# Altium PCB ETH_CAN.PcbDoc (part 1 of 2) (continued)
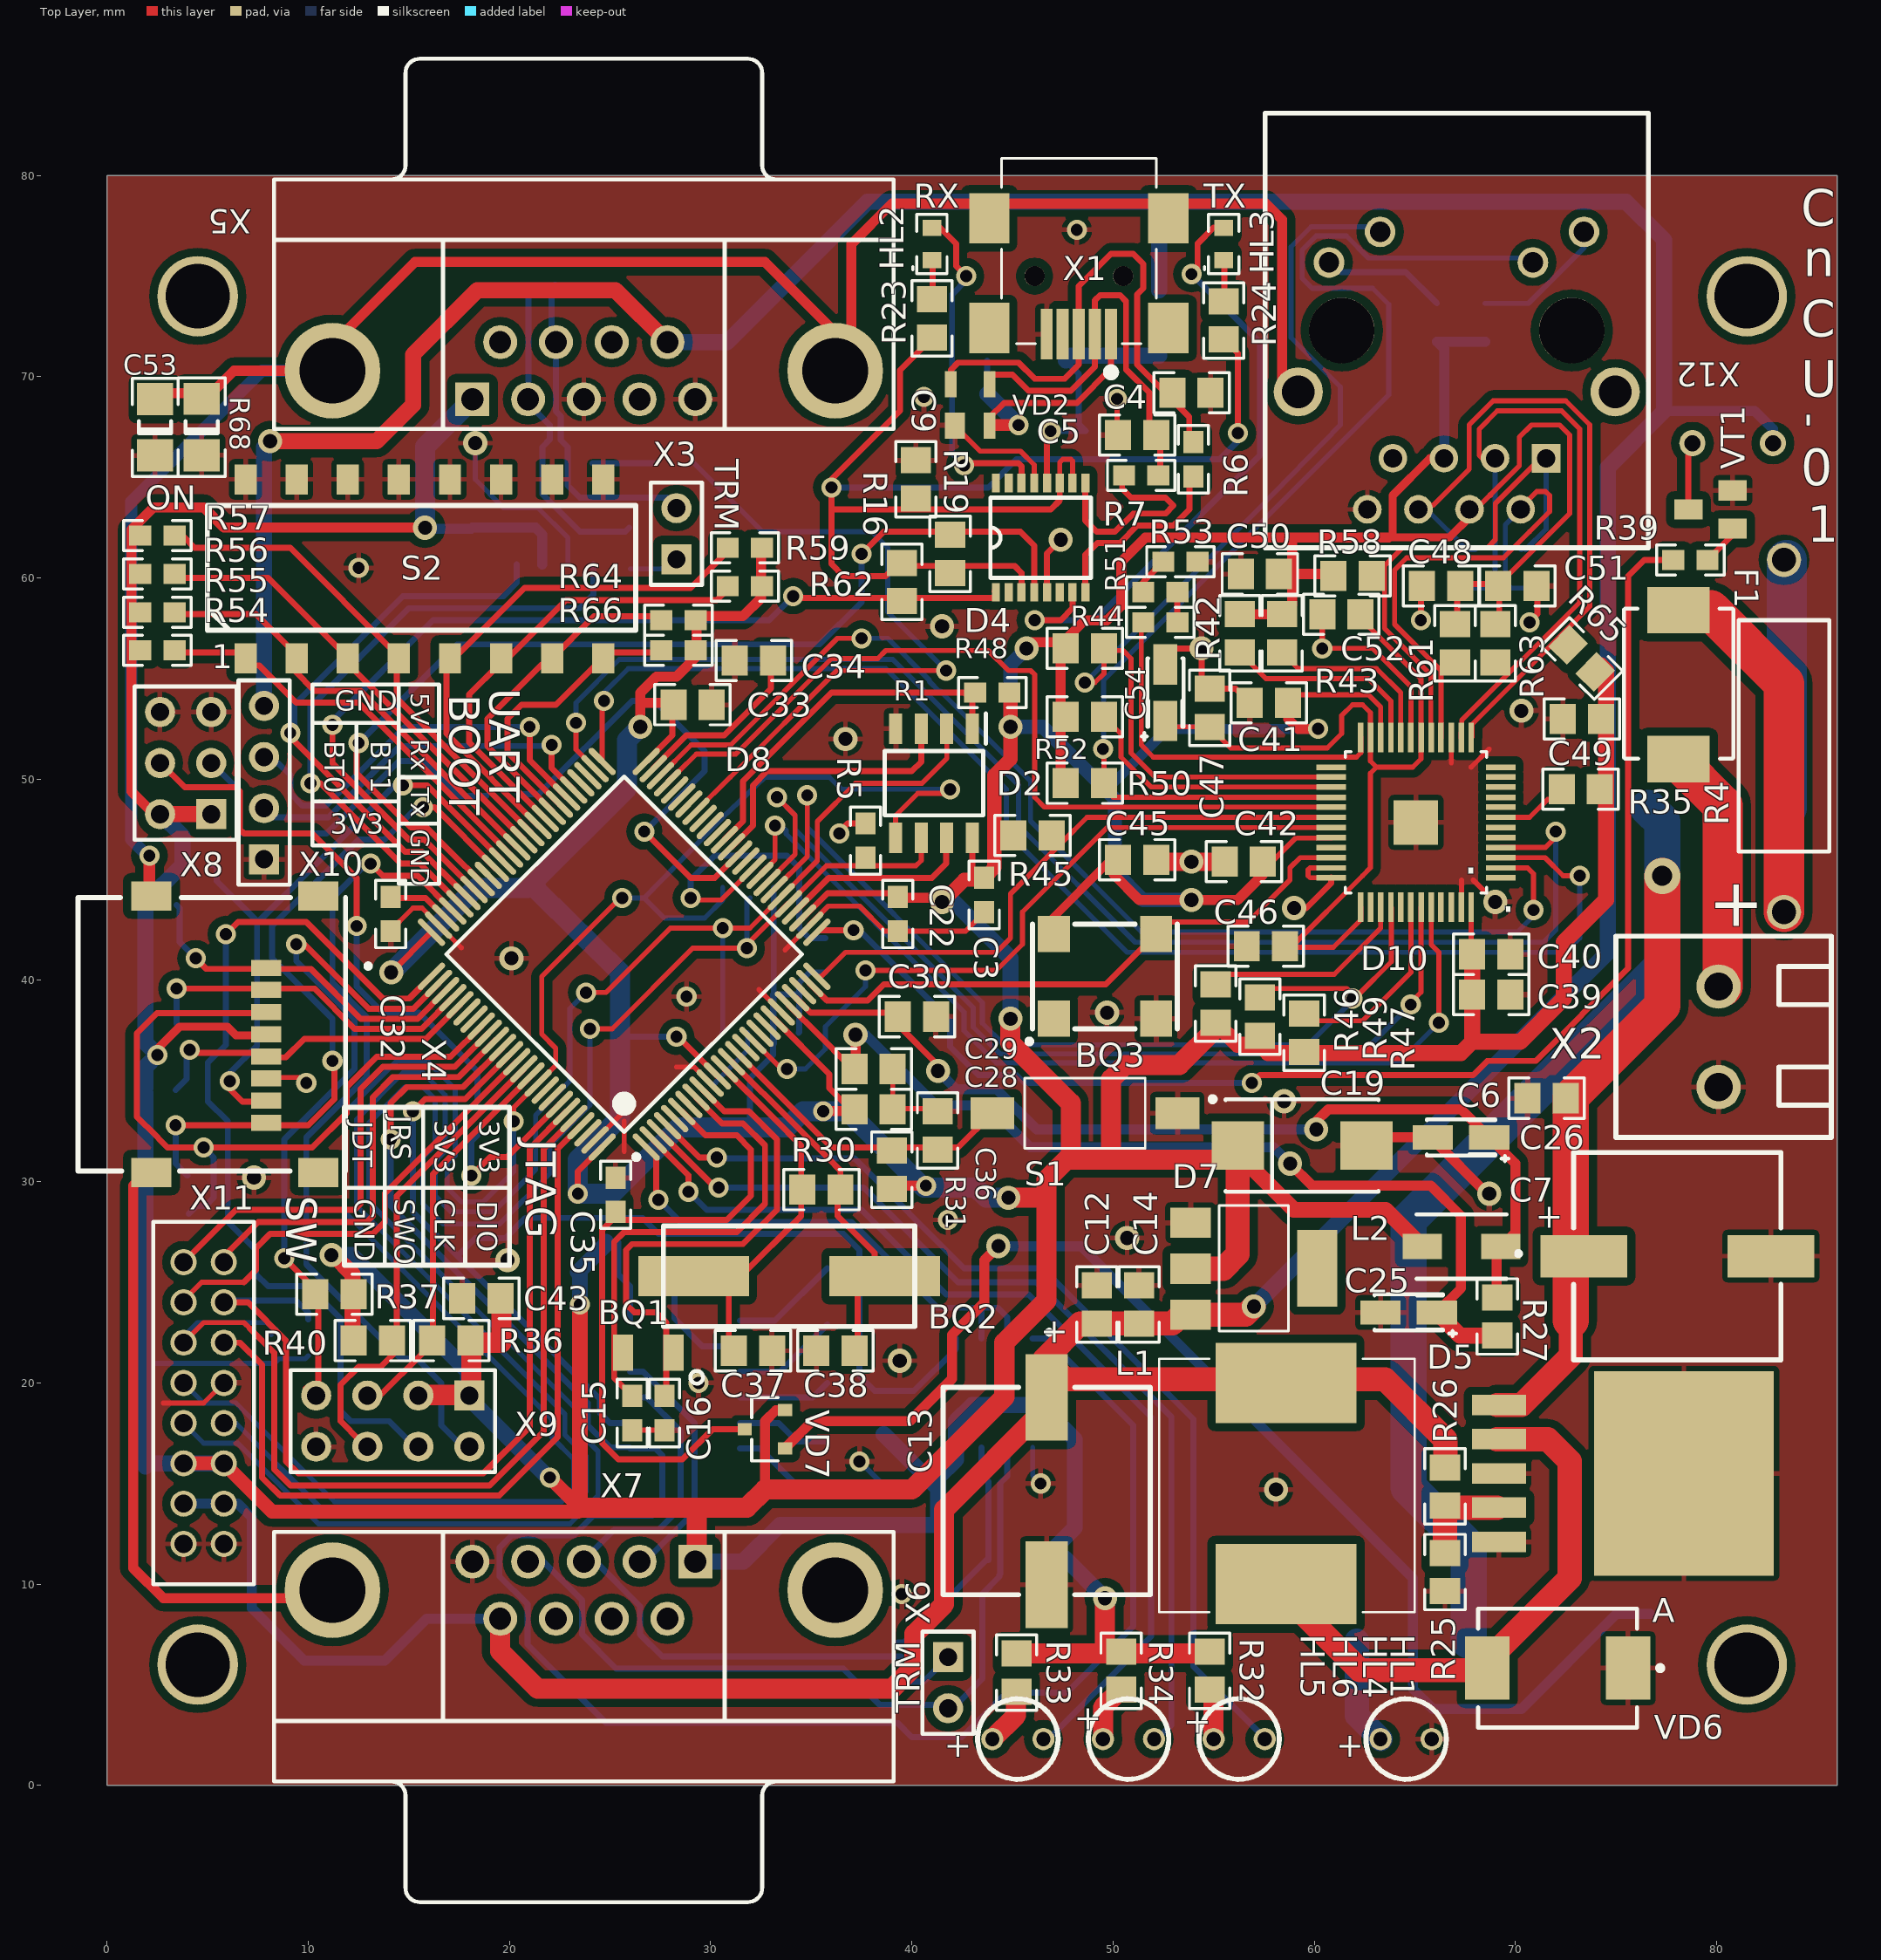
[diagram p0: Top Layer view]
## Components (designator, comment, footprint, x,y, rotation, side; value= is the part's Value field where it differs from the comment) (continued)
R33 "0805 130 1%" R_SMD0805 45.2,5.6 r270 top
R34 "0805 130 1%" R_SMD0805 50.4,5.7 r270 top
R35 "0805 2k 1%" R_SMD0805 73.25,49.5 r0 top
R36 "0805 10k" R_SMD0805 17.1,22.1 r0 top
R37 "0805 10k" R_SMD0805 11.3,24.4 r0 top
R38 "0603 10k" R_SMD0603 13.9,23.3 r45 bottom
R39 "0603 1k" R_SMD0603 78.7,60.9 r0 top
R40 "0805 10k" R_SMD0805 13.2,22.1 r180 top
R41 "0603 10k" R_SMD0603 6.8,33.2 r180 bottom
R42 "0805 2k 1%" R_SMD0805 56.3,57.25 r90 top
R43 "0805 2k 1%" R_SMD0805 58.4,57.25 r90 top
R44 "0603 4.7k 1%" R_SMD0603 52.35,57.8 r0 top
R45 "0805 1.5k" R_SMD0805 46,47.2 r180 top
R46 "0805 2k 1%" R_SMD0805 55.1,38.85 r270 top
R47 "0805 2k 1%" R_SMD0805 59.5,37.4 r270 top
R48 "0805 2k 1%" R_SMD0805 48.6,56.5 r180 top
R49 "0805 2k 1%" R_SMD0805 57.3,38.2 r270 top
R50 "0805 2k 1%" R_SMD0805 48.6,49.8 r180 top
R51 "0603 150 1%" R_SMD0603 52.35,59.3 r180 top
R52 "0805 2k 1%" R_SMD0805 48.6,53.1 r180 top
R53 "0603 18 1%" R_SMD0603 53.35,60.8 r0 top
R54 "0603 10k" R_SMD0603 2.5,56.4 r180 top
R55 "0603 10k" R_SMD0603 2.5,58.3 r180 top
R56 "0603 10k" R_SMD0603 2.5,60.2 r180 top
R57 "0603 10k" R_SMD0603 2.5,62.1 r180 top
R58 "0805 51" R_SMD0805 61.9,60.1 r180 top
R59 "0603 10k" R_SMD0603 31.7,61.5 r0 top
R60 "0603 10k" R_SMD0603 8.3,21.8 r270 bottom
R61 "0805 51" R_SMD0805 67,56.75 r90 top
R62 "0603 10k" R_SMD0603 31.7,59.6 r0 top
R63 "0805 51" R_SMD0805 69,56.75 r90 top
R64 "0603 10k" R_SMD0603 28.4,57.9 r0 top
R65 "0805 51" R_SMD0805 73.3,56 r315 top
R66 "0603 10k" R_SMD0603 28.4,56.4 r0 top
R67 "0603 10k" R_SMD0603 9.9,22.2 r270 bottom
R68 "1206 1M" R_SMD1206 4.7,67.5 r90 top
R69 "0805 240" R_SMD0805 68.5,72.7 r270 bottom
R70 "0805 240" R_SMD0805 66.1,72.7 r270 bottom
S1 "1437566-3 (FSMSM)" 1437566-3 48.6,33.4 r0 top
S2 "DM-08-V" DM-08-V 6.88,56 r0 top
VD1 "SM15T39CA" "DO214AB SMC" 80.1,55.4 r180 bottom
VD2 "SP0503BAHTG" SP0503BAHTG 42.9,68.6 r90 top
VD3 "VS-30BQ040" "DO214AB SMC" 80.1,48.6 r180 bottom
VD4 "MBR130LSFT1G" SOD-123FL 52.3,72.7 r90 bottom
VD5 "SP0503BAHTG" SP0503BAHTG 21.5,75.6 r270 bottom
VD6 "SS34" "DO214AB SMC" 72.1,5.8 r180 top
VD7 "BAT54C" BAT54C_SOT23-3 32.7,17.7 r90 top
VD8 "SP0504BAHT" SOT23-5 70.5,60.45 r270 bottom
VT1 "MMBT3904.215" SOT23 79.7,63.4 r90 top
X1 "DS1104-B60SRS" MUSB-05-S-B-SM 48.3,72.12 r180 top
X2 "309-021-12" 390-021-12 80.1,39.7 r270 top
X3 "DS1021_1x2" PLD2 28.3,62.2 r90 top
X4 "microSD_500901-0801" 5009001-0801 -1.577,44.125 r270 top
X5 "DRB- 9FA (DS1037-9F)" "DRB- 9FA" 23.695,79.8 r0 top
X6 "DS1021_1x2" PLD2 41.8,5.1 r270 top
X7 "DRB- 9FA (DS1037-9F)" "DRB- 9FA" 23.695,0.2 r180 top
X8 "DS1021-2*3SF11-B" PLD2-3 3.9,50.8 r90 top
X9 "DS1021-2*4SF11-B" PLD2-4 14.2,18.1 r180 top
X10 "DS1021_1x4" PLD1X4 7.8,46.02 r90 top
X11 "B16B-PHDSS" PHD16 3.8,26 r270 top
X12 "TRJ0011TBNL (J0011D018)" J0011D018 67.085,72.3 r0 top

## Footprints (in the part's own frame and the unit in brackets; to place one, negate y for a bottom-side part, rotate by r counter-clockwise, add the part's x,y. Pads: shape width x height; smd on the part's side, far side on the other; paste and mask are expansions set on the pad)
390-021-12 [mm]
  round 2.2 hole 1.4: 1(0,0) 2(5,0)
  silkscreen extent -2.5,-5.1 7.5,5.6, body extent -2.5,-4.9 7.5,4.1, height 12.6
1437566-3 [mm]
  rect 2.18x1.6 smd: 1(-4.6,0) 2(4.6,0)
  silkscreen extent -3,-1.75 3,1.75, body extent -5.54,-1.75 5.54,1.75, height 4.87
5009001-0801 [mm]
  rect 0.8x1.5 smd: 1(3.5,9.477) 2(4.6,9.477) 3(5.7,9.477) 4(6.8,9.477) 5(7.9,9.477) 6(9,9.477) 7(10.1,9.477) 8(11.2,9.477)
  rect 1.45x2 smd: 9(-0.075,12.077) 10(13.675,12.077) 11(13.675,3.777) 12(-0.075,3.777)
  silkscreen extent 0,0.13 13.6,14.65, body extent -0.44,0.13 14.16,14.63, height 1.93
BAT54C_SOT23-3 [mm]
  rect 0.6x0.7 smd: 1(-0.95,-1) 2(0.95,-1) 3(0,1)
  silkscreen extent -1.57,-0.65 1.57,0.66, body extent -1.45,-1.17 1.45,1.13, height 1.1
BK-912-TR [mm] "CR2032battery holder"
  rect 2.79x5.08 smd: 1(-10.985,0) 2(10.985,0)
  round 17.78 smd: 3(0,0)
  silkscreen extent -13.59,-7.62 10.54,7.62, body extent -11.61,-7.89 11.25,7.34, height 4.47
C_SMD0603 [mm]
  rect 1.1x1 smd: 1(-0.85,0) 2(0.85,0)
  silkscreen extent -1.68,-0.75 1.68,0.75, body extent -0.85,-0.45 0.85,0.45, height 0.9
C_SMD0805 [mm]
  rect 1.3x1.5 smd: 1(-0.95,0) 2(0.95,0)
  silkscreen extent -1.87,-1 1.88,1, body extent -1.05,-0.67 1.05,0.68, height 0.75
"CAP SMD1206" [mm]
  rect 1.6x1.8 smd: 1(-1.408,0.022) 2(1.392,0.022)
  silkscreen extent -2.45,-1.13 2.42,1.15, body extent -1.62,-0.8 1.58,0.8, height 0.79
CFPS-73 [mm]
  rect 1.6x1.8 smd: 1(-2.54,-2.1) 2(2.54,-2.1) 3(2.54,2.1) 4(-2.54,2.1)
  silkscreen extent -3.87,-3.34 3.6,2.6, body extent -3.5,-2.51 3.5,2.51, height 1.52
CM453232-101KL [mm]
  rect 1.95x1.25 smd: 1(-1.925,-0.025) 2(1.975,-0.025)
  silkscreen extent -2.22,-1.63 2.28,1.57, body extent -2.22,-1.6 2.28,1.6, height 3.4
DM-08-V [mm] "dipswitch8"
  rect 1.1x1.5 smd: 1(0,0) 2(2.54,0) 3(5.08,0) 4(7.62,0) 5(10.16,0) 6(12.7,0) 7(15.24,0) 8(17.78,0) 9(0,8.9) 10(2.54,8.9) 11(5.08,8.9) 12(7.62,8.9) 13(10.16,8.9) 14(12.7,8.9) 15(15.24,8.9) 16(17.78,8.9)
  silkscreen extent -1.9,1.4 19.4,7.6, body extent -1.48,-0.42 19.28,9.28, height 3.7
"DO214AB SMC" [mm]
  rect 2.2x3.15 smd: 1(-3.5,-0.025) 2(3.5,-0.025)
  silkscreen extent -5.23,-2.98 3.95,2.92, body extent -4.04,-3.17 4.09,3.12, height 2.62
"DRB- 9FA" [mm]
  rect 1.69x1.69 hole 1.09: 1(-5.54,-10.92)
  round 1.69 hole 1.09: 2(-2.77,-10.92) 3(0,-10.92) 4(2.77,-10.92) 5(5.54,-10.92) 6(-4.155,-8.08) 7(-1.385,-8.08) 8(1.385,-8.08) 9(4.155,-8.08)
  round 4.76 hole 3.26: 10(-12.495,-9.5) 11(12.495,-9.5)
  silkscreen extent -15.4,-12.4 15.4,6, body extent -15.3,-12.83 15.2,3.88, height 12.25
FC-135 [mm]
  rect 1x1.8 smd: 1(-1.25,0) 2(1.25,0)
  silkscreen extent -2.73,0.9 -2.09,1.54, body extent -1.6,-0.72 1.6,0.78, height 0.8
FUSE1812x0 [mm]
  rect 1.9x3.4 smd: 1(-1.95,0) 2(1.95,0)
  body extent -2.27,-1.62 2.28,1.62, height 0.85
HC49SM [mm]
  rect 5.5x2 smd: 1(-4.75,0) 2(4.75,0)
  silkscreen extent -6.25,-2.5 6.25,2.5, body extent -6.2,-2.35 6.2,2.35, height 3.8
HC090xA [mm]
  round 1.3 hole 0.8: 2(2,0) +(-2,0)
  silkscreen extent -5.4,-4.8 4.8,4.8, body extent -6,-4.5 4.5,4.5, height 4.3
J0011D018 [mil]
  rect 56x56 hole 36: 1(175,-250)
  round 56 hole 36: 2(125,-350) 3(75,-250) 4(25,-350) 5(-25,-250) 6(-75,-350) 7(-125,-250) 8(-175,-350)
  round 60 hole 40: 9(249,193) 10(149,133) 11(-150,193) 12(-250,133)
  round 128 hole 128 unplated: None(-225,0) None(225,0)
  round 96 hole 64: S1(-310,-120) S2(310,-120)
  silkscreen extent -375,-425 375,425, body extent -404,-406 409,425, height 633
KNP2WS [mm]
  round 1.7 hole 1.2: 1(-3,-2.25) 2(14.5,-2.25)
  silkscreen extent 0,-4.5 11.5,0, body extent -2.26,-4.28 13.77,-0.27, height 5
LED3mm [mm]
  round 1.1 hole 0.7: 1(0,0) 2(2.54,0)
  silkscreen extent -0.73,-2 3.27,2, body extent -0.42,-7.25 2.98,0.3, height 4.6
LED_SMD1608 [mm]
  rect 0.8x0.95 smd: 1(-0.8,0) 2(0.8,0)
  silkscreen extent -1.48,-0.75 1.48,0.96, body extent -0.85,-0.45 0.85,0.45, height 0.9
LED_SMD1608GREEN [mm]
  rect 0.8x0.95 smd: 1(-0.8,0) 2(0.8,0)
  silkscreen extent -1.48,-0.75 1.48,0.96, body extent -0.85,-0.45 0.85,0.45, height 0.9
MF-SM075/60 [mm]
  rect 2.3x3.1 smd: 1(0,0) 2(7.4,0)
  silkscreen extent 0.03,-2.75 7.48,2.7, body extent 0.07,-2.74 7.43,2.7, height 3.14
MUSB-05-S-B-SM [mm]
  rect 0.6x2.5 smd: 1(-1.6,0) 2(-0.8,0) 3(0,0) 4(0.8,0) 5(1.6,0)
  rect 2x2.5 smd: 6(-4.45,-0.3) 7(4.45,-0.3) 8(-4.45,-5.75) 9(4.45,-5.75)
  round 1 hole 1 unplated: None(-2.2,-2.88) None(2.2,-2.88)
  silkscreen extent -3.85,-8.73 3.85,2.1, body extent -4.8,-8.83 4.8,0.42, height 3.92
PHD16 [mm]
  round 1.3 hole 0.9: 1(0,0) 2(0,2) 3(2,0) 4(2,2) 5(4,0) 6(4,2) 7(6,0) 8(6,2) 9(8,0) 10(8,2) 11(10,0) 12(10,2) 13(12,0) 14(12,2) 15(14,0) 16(14,2)
  silkscreen extent -2,-1.5 16,3.5, body extent -1.95,-1.5 15.95,3.5, height 6.5
PLD1X4 [mm]
  rect 1.5x1.5 hole 0.9: 1(0,0)
  round 1.5 hole 0.9: 2(2.54,0) 3(5.08,0) 4(7.62,0)
  silkscreen extent -1.27,-1.27 8.89,1.27, body extent -1.28,-1.27 8.88,1.27, height 8.6
PLD2 [mm]
  rect 1.5x1.5 hole 0.9: 1(-1.27,0)
  round 1.5 hole 0.9: 2(1.27,0)
  silkscreen extent -2.54,-1.27 2.54,1.27, body extent -2.5,-1.26 2.5,1.28, height 8.5
PLD2-3 [mm]
  rect 1.5x1.5 hole 0.9: 1(-2.54,-1.27)
  round 1.5 hole 0.9: 2(-2.54,1.27) 3(0,-1.27) 4(0,1.27) 5(2.54,-1.27) 6(2.54,1.27)
  silkscreen extent -3.81,-2.54 3.81,2.54, body extent -3.84,-2.52 3.78,2.56, height 8.6
PLD2-4 [mm]
  rect 1.5x1.5 hole 0.9: 1(-3.81,-1.27)
  round 1.5 hole 0.9: 2(-3.81,1.27) 3(-1.27,-1.27) 4(-1.27,1.27) 5(1.27,-1.27) 6(1.27,1.27) 7(3.81,-1.27) 8(3.81,1.27)
  silkscreen extent -5.08,-2.54 5.08,2.54, body extent -5.07,-2.5 5.09,2.5, height 8.5
QFP48 [mil]
  rect 58x11 smd: 1(-166,108) 2(-166,89) 3(-166,69) 4(-166,49) 5(-166,30) 6(-166,10) 7(-166,-10) 8(-166,-30) 9(-166,-49) 10(-166,-69) 11(-166,-89) 12(-166,-108) 25(166,-108) 26(166,-89) 27(166,-69) 28(166,-49) 29(166,-30) 30(166,-10) 31(166,10) 32(166,30) 33(166,49) 34(166,69) 35(166,89) 36(166,108)
  rect 11x58 smd: 13(-108,-166) 14(-89,-166) 15(-69,-166) 16(-49,-166) 17(-30,-166) 18(-10,-166) 19(10,-166) 20(30,-166) 21(49,-166) 22(69,-166) 23(89,-166) 24(108,-166) 37(108,166) 38(89,166) 39(69,166) 40(49,166) 41(30,166) 42(10,166) 43(-10,166) 44(-30,166) 45(-49,166) 46(-69,166) 47(-89,166) 48(-108,166)
  rect 87x87 smd: 49(0,0)
  silkscreen extent -138,-138 138,138, body extent -177,-177 177,177, height 63
R_SMD0603 [mm]
  rect 1.1x1 smd: 1(-0.85,0) 2(0.85,0)
  silkscreen extent -1.68,-0.75 1.68,0.75, body extent -0.82,-0.4 0.78,0.4, height 0.45
R_SMD0805 [mm]
  rect 1.3x1.5 smd: 1(-0.95,0) 2(0.95,0)
  silkscreen extent -1.88,-1 1.88,1, body extent -0.97,-0.6 1.03,0.65, height 0.55
R_SMD1206 [mm]
  rect 1.6x1.8 smd: 1(-1.4,0) 2(1.4,0)
  silkscreen extent -2.45,-1.17 2.45,1.17, body extent -2.24,-0.8 2.3,0.8, height 1.25
R_SMD2512 [mm]
  rect 2.15x3.4 smd: 1(-2.775,0) 2(2.775,0)
  silkscreen extent -4.18,-2 4.18,2, body extent -3.41,-1.66 3.39,1.64, height 0.64
SMD_ELC_CAP [mm]
  rect 4.3x2.1 smd: 1(-4.675,0) 2(4.625,0)
  silkscreen extent -8.01,-5.15 5.12,5.15, body extent -5.97,-5.15 5.73,5.15, height 10.3
SOD-123FL [mm]
  rect 1.12x1.08 smd: A(-1.645,0) C(1.6,0)
  silkscreen extent -2.72,-1 1.5,1, body extent -1.82,-0.82 1.78,0.83, height 0.95
"SOIC8 (SO-8)" [mm]
  rect 1.525x0.65 smd: 1(-2.712,1.905) 2(-2.712,0.635) 3(-2.712,-0.635) 4(-2.712,-1.905) 5(2.712,-1.905) 6(2.712,-0.635) 7(2.712,0.635) 8(2.712,1.905)
  silkscreen extent -3.47,-2.45 1.6,2.58, body extent -3.08,-2.5 3.08,2.5, height 2
SOIC8(5.3mm) [mm]
  rect 1.7x0.65 smd: 1(0,0) 2(0,-1.27) 3(0,-2.54) 4(0,-3.81) 5(7.2,-3.81) 6(7.2,-2.54) 7(7.2,-1.27) 8(7.2,0)
  silkscreen extent -0.76,-4.36 6.1,0.67, body extent -0.4,-4.5 7.6,0.75, height 2.58
SOIC-12 [mil]
  rect 78x22 smd: 1(-93,75) 2(-93,25) 3(-93,-25) 4(-93,-75) 5(93,-75) 6(93,-25) 7(93,25) 8(93,75)
  silkscreen extent -46,-96 46,96, body extent -117,-96 119,96, height 67
SOIC-16 [mil]
  rect 24x60 smd: 1(-177.52,-98.62) 2(-127.52,-98.62) 3(-77.52,-98.62) 4(-27.52,-98.62) 5(22.48,-98.62) 6(72.48,-98.62) 7(122.48,-98.62) 8(172.48,-98.62) 9(172.48,116.38) 10(122.48,116.38) 11(72.48,116.38) 12(22.48,116.38) 13(-27.52,116.38) 14(-77.52,116.38) 15(-127.52,116.38) 16(-177.52,116.38)
  silkscreen extent -196,-62 190,79, body extent -201,-112 193,128, height 59
SOT23 [mm]
  rect 1x1.4 smd: B(-0.95,-1.1) C(0,1.1) E(0.95,-1.1)
  body extent -1.46,-1.17 1.46,1.17, height 1
SOT23-5 [mm]
  round 0.2 on Bottom Overlay: 1(-1.475,0.75)
  rect 0.6x1 smd: 1(-0.95,0) 2(0,0) 3(0.95,0) 4(0.95,2.6) 5(-0.95,2.6)
  silkscreen extent -1.15,0.85 1.15,1.75, body extent -1.46,0.13 1.46,2.47, height 1
SOT223 [mil]
  rect 59x79 smd: 1(-89,-124) 2(1,-124) 3(91,-124)
  rect 150x79 smd: 4(0,124)
  silkscreen extent -123,-68 123,68, body extent -128,-136 128,136, height 64
SP0503BAHTG [mm]
  rect 1.3x0.99 smd: 1(-1.025,0.76)
  rect 1.3x0.59 smd: 2(-1.025,-0.96) 3(1.025,-0.96) 4(1.025,0.96)
  body extent -1.18,-1.45 1.18,1.45, height 1.22
SRR1208 [mm]
  rect 4x7 smd: 1(-5,0) 2(5,0)
  silkscreen extent -6.4,-6.4 6.2,6.3, body extent -6.5,-6.55 6.4,6.35, height 8.5
SSOP16 [mil]
  rect 36x16 smd: 1(-107,87.5) 2(-107,62.5) 3(-107,37.5) 4(-107,12.5) 5(-107,-12.5) 6(-107,-37.5) 7(-107,-62.5) 8(-107,-87.5) 9(107,-87.5) 10(107,-62.5) 11(107,-37.5) 12(107,-12.5) 13(107,12.5) 14(107,37.5) 15(107,62.5) 16(107,87.5)
  silkscreen extent -78,-98 78,98, body extent -123,-98 123,98, height 69
STM-LQFP100_N [mm] "Thin QFP, 100-Leads, Body 14x14mm, Pitch 0.5mm, IPC Medium Density"
  oval 1.8x0.3 smd: 1(-7.55,6) 2(-7.55,5.5) 3(-7.55,5) 4(-7.55,4.5) 5(-7.55,4) 6(-7.55,3.5) 7(-7.55,3) 8(-7.55,2.5) 9(-7.55,2) 10(-7.55,1.5) 11(-7.55,1) 12(-7.55,0.5) 13(-7.55,0) 14(-7.55,-0.5) 15(-7.55,-1) 16(-7.55,-1.5) 17(-7.55,-2) 18(-7.55,-2.5) 19(-7.55,-3) 20(-7.55,-3.5) 21(-7.55,-4) 22(-7.55,-4.5) 23(-7.55,-5) 24(-7.55,-5.5) 25(-7.55,-6) 51(7.55,-6) 52(7.55,-5.5) 53(7.55,-5) 54(7.55,-4.5) 55(7.55,-4) 56(7.55,-3.5) 57(7.55,-3) 58(7.55,-2.5) 59(7.55,-2) 60(7.55,-1.5) 61(7.55,-1) 62(7.55,-0.5) 63(7.55,0) 64(7.55,0.5) 65(7.55,1) 66(7.55,1.5) 67(7.55,2) 68(7.55,2.5) 69(7.55,3) 70(7.55,3.5) 71(7.55,4) 72(7.55,4.5) 73(7.55,5) 74(7.55,5.5) 75(7.55,6)
  oval 0.3x1.8 smd: 26(-6,-7.55) 27(-5.5,-7.55) 28(-5,-7.55) 29(-4.5,-7.55) 30(-4,-7.55) 31(-3.5,-7.55) 32(-3,-7.55) 33(-2.5,-7.55) 34(-2,-7.55) 35(-1.5,-7.55) 36(-1,-7.55) 37(-0.5,-7.55) 38(0,-7.55) 39(0.5,-7.55) 40(1,-7.55) 41(1.5,-7.55) 42(2,-7.55) 43(2.5,-7.55) 44(3,-7.55) 45(3.5,-7.55) 46(4,-7.55) 47(4.5,-7.55) 48(5,-7.55) 49(5.5,-7.55) 50(6,-7.55) 76(6,7.55) 77(5.5,7.55) 78(5,7.55) 79(4.5,7.55) 80(4,7.55) 81(3.5,7.55) 82(3,7.55) 83(2.5,7.55) 84(2,7.55) 85(1.5,7.55) 86(1,7.55) 87(0.5,7.55) 88(0,7.55) 89(-0.5,7.55) 90(-1,7.55) 91(-1.5,7.55) 92(-2,7.55) 93(-2.5,7.55) 94(-3,7.55) 95(-3.5,7.55) 96(-4,7.55) 97(-4.5,7.55) 98(-5,7.55) 99(-5.5,7.55) 100(-6,7.55)
  silkscreen extent -7.67,-6.25 6.25,6.82, body extent -7,-7 7,7, height 1.6
TECAP_A [mm]
  rect 2x1.2 smd: 1(-1.4,0) 2(1.4,0)
  silkscreen extent -2.35,-0.9 1.7,1.17, body extent -1.7,-0.9 1.7,0.9, height 1.7
TECAP_D [mm]
  rect 2.6x2.4 smd: 1(-3.2,0) 2(3.2,0)
  silkscreen extent -4.57,-2.3 3.8,2.42, body extent -3.75,-2.25 3.75,2.25, height 3.1
TO263-5 [mil]
  rect 40x106 smd: 1(-134,-362.98) 2(-67,-362.98) 3(0,-362.98) 4(67,-362.98) 5(134,-362.98)
  rect 400x352 smd: 6(0,-0.98)
  body extent -195,-404 191,171, height 166

## Part data
BQ1: library part FC135-32768-7, "Clock SMD Crystal"
BQ2: library part HC49SM, "HC49SM"
BQ3: library part SPXO018044CFPS-73, "IQD FREQUENCY PRODUCTS - SPXO018044-CFPS-73 - OSCILLATOR FREQUENCY, 50MHZ"
C1 C2 C3 C10 C11 C15 C16 C22 C24 C27 C32 C35 C44: library part C0603, "SMD Cap 0603"
C4 C5 C6 C8 C9 C12 C21 C28 C29 C30 C33 C34 C36 C37 C38 C39 C40 C41 C42 C43 C45 C46 C47 C48 C49 C50 C51 C52: library part C0805, "SMD Cap 0805", PackageDocument=Mar-2001, Code_IPC=2012[0805], Code_JEITA=0805, ComponentLink1Description="Manufacturer Link", ComponentLink1URL=http://www.kemet.com/, ComponentLink2Description=Datasheet, ComponentLink2URL=http://www.kemet.com/kemet/web/homepage/kechome.nsf/vapubfilesname/F3102TA.pdf/$file/F3102TA.pdf, DatasheetDocument=Mar-2001, LatestRevisionDate=19-Mar-2004, LatestRevisionNote="Silkscreen size reduced.", Note="Footprint corresponds to dimensions for bulk cassette packaging. This case size has tightened tolerances.", PackageReference=0805, Published=17-Jul-2002, Publisher="Altium Limited"
C7 C13: library part EEEFK1H221P, "Ecap 220uF 50V G case Panasonic Aluminium Electrolytic Capacitor 220F 50 V dc 10mm Surface Mount series FK SMD lifetime 2000h", Manufacturer_Name=Panasonic, RS Part Number=6294598, Allied_Number=70256552, Allied Price/Stock=https://www.alliedelec.com/panasonic-eee-fk1h221p/70256552/, Arrow Part Number=EEEFK1H221P, Arrow Price/Stock=https://www.arrow.com/en/products/eeefk1h221p/panasonic, Datasheet Link=https://industrial.panasonic.com/cdbs/www-data/pdf/RDE0000/ABA0000C1181.pdf, Manufacturer_Part_Number=EEEFK1H221P, RS Price/Stock=http://uk.rs-online.com/web/p/products/6294598
C14: library part C0805, "SMD Cap 0805"
C17 C18 C20 C23 C25 C26 C31 C54: library part TECAP_A, "Tantalum pol cap type A"
C19: library part TECAP_D, "Tantalum pol cap type D"
C53: library part C1206, "SMD Cap 1206", PackageDocument=Mar-2001, Code_IPC="3216 [1206]", Code_JEITA=1206, ComponentLink1Description="Manufacturer Link", ComponentLink1URL=http://www.kemet.com/, ComponentLink2Description=Datasheet, ComponentLink2URL=http://www.kemet.com/kemet/web/homepage/kechome.nsf/vapubfilesname/F3102TA.pdf/$file/F3102TA.pdf, DatasheetDocument=Mar-2001, LatestRevisionDate=19-Mar-2004, LatestRevisionNote="Silkscreen size reduced.", PackageReference=1206, Published=17-Jul-2002, Publisher="Altium Limited"
D1: "SPI FLASH 16Mbit(528 bytes x 4096 pages)"
D2: library part M95256(2M)-WMN6TP, "M95256-WMN6TP, Serial EEPROM Memory 256kbit, Serial-SPI, 60ns 2.5  5.5 V, 8-Pin SOIC"
D3: "3.3-V CAN Transceiver with Standby Mode 8-SOIC -40 to 125", Package="SOIC-8 Texas Instruments", Availability=Good, MF="Texas Instruments", MP=SN65HVD230QDR, Price="1.73 USD", SnapEDA_Link=https://www.snapeda.com/parts/SN65HVD230QDR/Texas%20Instruments/view-part/?ref=snap
D4: "FT230XS-U, USB Controller, 3MBd, USB 1.1, USB 2.0, 5 V, 16-Pin SSOP", Package="SSOP-16 FTDI,", Availability=Unavailable, MF=FTDI,, MP=FT230XS-U, Price=None, SnapEDA_Link=https://www.snapeda.com/parts/FT230XS-U/FTDI%2C%20Future%20Technology%20Devices%20International%20Ltd/view-part/?ref=snap
D5: library part LM2596S, "SIMPLE SWITCHER&#174; 4.5V to 40V, 3A Low Component Count Step-Down Regulator"
D6: "3.3 V low power transceiver for RS-485"
D7: library part LM1117-3.3, "Линейный регулятор с низким падением напряжения, 3.3В"
D8: "ARM Cortex-M4 32-bit MCU+FPU, 210 DMIPS, 512 kB Flash, 192 kB Internal RAM, 82 I/Os, 100-pin LQFP, -40 to 85 degC, Tray", I/Os (High Current)=82, Manufacturer=STMicroelectronics, Operating Frequency(F) (Processor speed) (MHz)=168, Supplier Part Number 1=497-12075-ND, Supply Voltage(Vcc) max (V)=3.6, Supply Voltage(Vcc) min (V)=1.8, ComponentLink1Description="Manufacturer URL", ComponentLink1URL=http://www.st.com/web/en/home.html, ComponentLink2Description=Datasheet, ComponentLink2URL=http://www.st.com/st-web-ui/static/active/en/resource/technical/document/datasheet/DM00037051.pdf, ComponentLink3Description="Package Specification", ComponentLink3URL=http://www.st.com/st-web-ui/static/active/en/resource/technical/document/data_brief/DM00071938.pdf, Core="ARM Cortex-M4", D/A Converter=2x12-bit, DatasheetVersion="Rev. 4", FLASH Size (Prog) (kB)=512, Internal RAM Size (kB)=192, Mounting Technology="Surface Mount", PackageDescription="100-Pin Low Profile Quad Flat Package, 14 x 14 mm Body, 0.5 mm Pitch", PackageReference=LQFP100, PackageVersion="Rev. 1, 06/2013", Packing=Tray, PartNumber=STM32F407VET6, Supplier 1=Digi-Key, Supplier 2=Farnell, Supplier 3=Newark, Supplier 4=Mouser, Supplier Part Number 2=2064367, Supplier Part Number 3=73T2332, Supplier Part Number 4=511-STM32F407VET6
D9: "3.3V SMD RS232-UART"
D10: library part DP83848CVVNOPB, "ETH Transciever"
F1: "Resettable Fuse PTC 0.75A(hold) 1.5A(trip) 60V 10A 1.7W 0.3s 0.23Ohm SMD Solder Pad 7.98 X 5.44 X 3."
F2: "PTC Resettable Fuse 0.5A_hold_ 1A_trip_ 15V 100A 0.8W 0.15s 0.15Ohm SMD Solder Pad 1812 T/R"
G1: "Buzzer 5V 80mA h=5mm d=9.5mm 3200Hz"
HL1: library part LED_0_25_4
HL2 HL3: library part LED_SMD, "TO-1608BC-BF \  TO-1608BC-MRE"
HL4: library part LED_0_25_4, "Светодиод желтый 25° d=3мм 1000мКд 589нМ (Yellow)"
HL5: library part LED_0_25_4, "Светодиод зеленый 25° d=3мм 1200мКд 572нМ (Green)"
HL6: library part LED_0_25_4, "Светодиод красный 20° d=3мм 200мКд 660нМ (Red)"
J1: "Holder Coin Cell 20mm Smd"
L1: library part SRR1208-682KL, "Fixed Inductors 330uH 10% SMD 1208", Manufacturer_Name=Bourns, Arrow Part Number=SRR1208-682KL, Arrow Price/Stock=https://www.arrow.com/en/products/srr1208-682kl/bourns, Datasheet Link=http://www.bourns.com/data/global/pdfs/SRR1208.pdf, Manufacturer_Part_Number=SRR1208-682KL
L2: library part CM453232-471KL, "BOURNS - CM453232-101KL - INDUCTOR, 4532 CASE, 100UH", Manufacturer_Name=Bourns, RS Part Number=6934353, Allied_Number=70154277, Allied Price/Stock=https://www.alliedelec.com/bourns-cm453232-471kl/70154277/, Arrow Part Number=CM453232-471KL, Arrow Price/Stock=https://www.arrow.com/en/products/cm453232-471kl/bourns, Datasheet Link=https://www.bourns.com/pdfs/cm.pdf, Geometry.Height=3.4mm, Manufacturer_Part_Number=CM453232-471KL, RS Price/Stock=http://uk.rs-online.com/web/p/products/6934353
R1 R2 R5 R6 R7 R10 R11 R12 R13 R14 R15 R17 R18 R20 R21 R22 R29 R38 R39 R41 R44 R51 R53 R54 R55 R56 R57 R59 R60 R62 R64 R66 R67: library part R0603, "SMD Res 0603"
R3 R9 R16 R19 R23 R24 R25 R26 R27 R28 R30 R31 R32 R33 R34 R35 R36 R37 R40 R42 R43 R45 R46 R47 R48 R49 R50 R52 R58 R61 R63 R65 R69 R70: library part R0805, "SMD Res 0805"
R4: library part KNP2WS, "Резисторы с проволочной обмоткой – сквозное отверстие 2.2ohm 2W 5%"
R8: library part R2512, "SMD Res 2512"
R68: library part R1206, "SMD Res 1206"
S1: library part 1437566-3, "FSMSM=3.5X6 SMT TACT", Contact_Current_Rating="50 mA", Package=None, Availability=Unavailable, Configuration_Pole-Throw="Single Pole - Single Throw", MF="TE Connectivity", MP=1437566-3, Price=None, SnapEDA_Link=https://www.snapeda.com/parts/1437566-3/TE%20Connectivity/view-part/?ref=snap
S2: "SMD DIPSWITCH8"
VD1: "TVS Diode Bi-Directional SM15T39CA 69.7V, 1500W, SMC 2-Pin"
VD2 VD5: "SP050xBA Series 8 V 30 pF Uni-Directional SMT TVS Avalanche Diode Array SOT-143", Package="SOT-143 Littelfuse", Availability=Unavailable, MF="Littelfuse Inc.", MP=SP0503BAHTG, Price=None, SnapEDA_Link=https://www.snapeda.com/parts/SP0503BAHTG/Littelfuse%20Inc./view-part/?ref=snap
VD3: "VS-30BQ040-M3/9AT Vishay VS-30BQ040-M3/9AT, SMT Schottky Diode, 40V 4A, 2-Pin DO-214AB"
VD4: "Schottky Barrier Diodes, 1A to 2A, ON Semiconductor"
VD6: "Rectifier, Schottky; DO-214AB; 3.0A IF; 0.75V; 40V; 100A IFRM; 10000V/us; 1000pF"
VD7: "Small Signal Schottky Diode, Dual Common Cathode, 30 V, 200 mA, 400 mV, 600 mA, 125 C"
VD8: "TVS Diode-4"
VT1: "Транзистор NPN 40В 0.2А [SOT-23-3]"
X1: library part "MSUB-05 (DS1104)", "Conn Mini USB 2.0 Type B RCP 5 POS 0.8mm Solder RA SMD 5 Terminal 1 Port Tray"
X2: "DG390-5.0-02P (XY118-2P-05) Зажимной Клеммник 2-контактный, 5.0мм угловой"
X3 X6: "Вилка штыревая 2.54мм 1x2 прямая тип1"
X4: "TransFlash Memory Card,1.1mm hinge type TransFlash Memory Card,1.1mm hinge type"
X8: library part DS1021_2x3, "Вилка штыревая 2.54мм 2x3 прямая тип1"
X9: library part DS1021_2x4, "Вилка штыревая 2.54мм 2x4 прямая тип1"
X10: "Вилка штыревая 2.54мм 1x4 прямая тип1"
X11: "HEADER, PHD, TOP, 16WAY, 2MM; Pitch Spacing:2mm; No. of Contacts:16Contacts;"
X12: library part "RJ45 J0011D018", "Conn RJ-45 F 8 POS 2.54mm Solder RA Thru-Hole 12 Terminal 1 Port Cat 5/Cat 6"

## Free pads (board coordinates)
  round 4 hole 3.2: 1(4.5,6) 2(4.5,74) 3(81.5,74) 4(81.5,6)

## Via types
v1: diameter 1, hole 0.6, Top Layer to Bottom Layer, 89 vias
v2: diameter 1.2, hole 0.7, Top Layer to Bottom Layer, 36 vias
v3: diameter 1.8, hole 1, Top Layer to Bottom Layer, 1 vias

## Nets (pads, with @x,y where several pads share a name; then routed paths per layer and width w, separated by ;. In a path a pad name is that pad's centre, name@x,y a point inside that pad or via, vN(x,y) a via of type N, cw(c..) or ccw(c..) an arc to the next point about the centre after c; other vN are vias at no path point)
3V3: BQ3.4 C2.2 C3.1 C8.2 C10.1 C11.1 C19.1 C20.2 C21.2 C22.2 C23.1 C24.2 C27.2 C28.2 C33.2 C39.1 C40.1 C41.1 C42.1 C43.2 C45.2 C48.2 C49.2 C50.1 C51.1 D1.3 D1.5 D1.6 D2.8 D3.3 D6.8 D7.2 D8.11 D8.19 D8.28 D8.50 D8.75 D8.100 D9.16 D10.22 D10.32 D10.48 L2.1 R1.2 R2.2 R10.2 R12.2 R13.2 R14.2 R15.2 R17.2 R18.2 R22.1 R31.2 R32.1 R33.1 R34.1 R35.2 R36.2 R37.2 R38.2 R40.2 R42.2 R43.2 R45.2 R46.2 R47.2 R48.2 R49.2 R50.2 R52.2 R54.2 R55.2 R56.2 R57.2 R58.2 R59.2 R60.2 R61.2 R62.2 R63.2 R64.2 R65.2 R66.2 R67.2 R69.2 R70.2 VD7.2 X4.4 X5.1 X7.1 X8.1 X8.2 X9.1 X9.3 X11.11 X11.12 X12.4 X12.5 | length 642.4
  Top Layer w0.25: C42.1@57.45,45.95 57.95,45.95 59.073,47.073 60.824,47.073 D10.32@60.842,47.091 ; 58.7,53 C41.1@58.7,53.8 59.1,54.2 62.7,54.2 63.306,53.594 D10.22@63.306,52.069 ; X12.4@67.735,63.112 68.748,64.125 70.2,65.577 70.2,67 70.8,67.6 72.2,67.6 72.7,67.1 72.7,63.2 C51.1@69.2,59.7 ; C40.1@67.802,41.898 D10.48@67.802,43.636
  Top Layer w0.3: v2(14.123,40.4) D8.75@16.119,42.396 ; v1(23.4,29.4) 23.4,30.515 D8.100@24.604,31.719 ; D8.50@26.796,50.881 28.1,52.185 C33.2@28.1,53.3 ; v1(28.3,37.2) 28.386,37.2 D8.11@30.332,35.254 ; D8.19@33.16,38.083 35.9,35.343 35.9,34.65 C28.2@37.05,33.5 ; D8.28@34.574,43.103 35.815,44.344 39.081,44.344 C22.2@39.275,44.15 ; D2.8@43.005,47.438 D2.8@43.005,47.088 43.005,45.495 C3.1@43.5,45 ; C45.2@50.05,45.25 C45.2@50.05,45.6 ; R61.2@67,57.7 67.1,57.8 67.1,59.7 69.2,59.7 69.2,57.9 R63.2@69,57.7 ; X12.4@67.461,62.839 X12.4@67.735,63.112 ; X12.4@67.735,63.51 X12.4@68.014,63.789
  Top Layer w0.4: v1(2.5,36.3) 2.5,36.6 3.6,37.7 5.975,37.7 6.4,37.275 X4.4@8.2,37.275 ; BQ3.4@46.85,42.95 C45.2@49.9,46 ; 63.725,62.025 66.725,62.025 X12.4@67.735,63.035 ; 63.9,62.2 63.9,64.1 65.75,65.95 X12.5@66.45,65.95
  Top Layer w0.5: X8.2@2.34,48.26 1.2,49.4 1.2,60.2 1.2,62.4 2.3,63.5 4.8,63.5 5.8,62.5 v2(15.8,62.5) ; v1(23.4,29.4) v1@23.45,29.35 ; v2(26.5,52.6) 26.5,53.8 ; C33.2@28.4,53.55 28.15,53.8 26.5,53.8 ; R59.2@32.5,61.55 32.5,59 31.6,58.1 29.3,58.1 29.3,56.1 28.3,55.1 27.3,55.1 26.5,54.3 26.5,53.8 ; 32.7,14.7 32.7,18.1 33.25,18.65 VD7.2@33.7,18.65 ; v1(35.6,33.5) C28.2@37.05,33.5 ; R31.2@39,29.8 v1(40.7,29.8) ; C22.2@39.275,44.15 39.325,44.1 41.3,44.1 v2(41.5,43.9) ; R1.2@44.7,54.4 R1.2@44.9,54.2 ; v2(45.7,56.5) 46,56.8 47.225,56.8 R48.2@47.4,56.625 ; R50.2@47.4,50.5 R48.2@47.4,56.625 ; C45.2@50.05,45.25 51.3,44 v2(53.9,44) 56.2,44 57.45,45.25 C42.1@57.45,45.95 ; R42.2@56.3,58.2 R43.2@58.4,58.2 58.9,58.7 58.9,60.2 ; 58.7,53 59.2,52.5 v1(60.2,52.5) ; R58.2@61,60.2 58.9,60.2 ; 63.7,62 58.9,62 ; X12.4@67.735,63.035 67.735,63.112 X12.4@67.735,63.51 ; R48.2@47.4,56.625 47.65,56.625 47.65,56.95 48.6,57.9 49.7,57.9 50.4,58.6 50.4,60.8 51.6,62 58.9,62 ; 58.9,60.2 58.9,62
  Top Layer w0.7: X11.11@3.8,16 X11.12@5.8,16 8.2,13.6 23.412,13.6 ; v1(22,15.3) 23.5,13.8 ; v2(41.5,43.9) 42.6,45 C3.1@43.5,45 ; C3.1@43.7,45.2 44.1,45.6 44.1,50.2 44.9,51 v2(44.9,52.6) R1.2@44.9,54.2
  Top Layer w0.8: X8.2@2.34,48.26 X8.2@2.63,48.26 X8.1@5.17,48.26 X8.1@5.2,48.26 ; v2@11.25,26.35 12.2,25.4 R40.2@12.2,22.125 ; 23.5,13.8 v1(23.5,23.9) ; R46.2@55.1,37.9 56.2,36.8 57.3,36.8 57.7,36.4 67.3,36.4 67.85,36.95 ; C19.1@56.2,31.4 59,28.6 63.55,28.6 L2.1@65.375,26.775 ; C40.1@67.85,41.3 67.85,36.95 ; R65.2@74.244,55.656 74.5,55.4 74.5,44 72.4,41.9 72.4,39.1 70.25,36.95 67.85,36.95
  Top Layer w1: X9.3@15.94,19.4 18.1,19.4 18.1,22 19.6,22 C43.2@19.6,24 ; 23.5,13.8 31.8,13.8 32.7,14.7 40,14.7 44.6,19.3 44.6,22 46.7,24.1 46.7,30.1 47.7,31.1 ; X7.1@29.235,11.12 29.3,11.185 29.3,13.4 ; v2(44.8,29.2) 46.5,29.2 ; v2(44.9,38.1) 44.9,36.9 47.9,33.9 47.9,31.3 47.7,31.1 ; R33.1@45.175,6.55 R33.1@45.2,6.55 R32.1@54.775,6.55 ; 49.6,6.6 v2(49.6,9.3) ; R46.2@55.1,37.9 55.1,37.6 53.3,35.8 50.6,35.8 49.9,35.1 49.9,31.1 ; C19.1@56.2,31.8 55.5,31.1 49.9,31.1 ; 47.7,31.1 49.9,31.1
  Top Layer w1.2: D7.2@53.85,25.675 55.475,25.675 56.2,26.4 C19.1@56.2,31.4
  Bottom Layer w0.25: 1.9,21 1.925,20.975 8.3,20.975 R60.2@8.3,20.95 8.55,21.2 9.85,21.2 R67.2@10,21.35 ; 31.95,32.75 32,32.7 ; C2.2@31.95,34.9 C2.2@31.95,35.15
  Bottom Layer w0.3: C23.1@25.4,27 25.4,25.4 26,24.8 D9.16@26,23.09 ; 25.5,37.2 v1(28.3,37.2) ; 31.95,32.75 C2.2@31.95,34.9 ; C2.2@31.95,35.15 33.1,36.3 D1.6@33.1,37.4 33.1,39.3 33.135,39.3 ; D1.3@33.135,44.6 33.135,39.3 ; D1.6@33.15,36.85 33.15,37.2 33.135,37.215 33.135,39.3 ; D1.5@34.37,37.4 34.4,37.43 34.4,39.3 ; R2.2@35.7,40.4 34.9,40.4 34.4,39.9 34.4,39.3 ; 33.135,39.3 34.4,39.3
  Bottom Layer w0.5: v2(15.8,62.5) 15.85,62.45 C8.2@18.1,62.45 18.15,62.5 21.3,62.5 21.63,62.17 D3.3@21.63,60.676 ; 49.75,49.55 52.7,52.5 v1(60.2,52.5) ; X12.5@66.465,66.05 66.465,71.385 R70.2@66.1,71.75 R69.2@68.5,71.75
  Bottom Layer w0.7: v2(45.7,56.5) 44.9,55.7 v2(44.9,52.6) 46.5,52.6 50.1,49 50.1,45.4 51.5,44 v2(53.9,44)
  Bottom Layer w0.8: R18.2@1.9,34.4 1.9,21 1.9,15.85 2.05,16 X11.11@3.8,16 X11.12@5.8,16 ; R18.2@1.9,34.65 1.9,35.7 v1(2.5,36.3) 1.9,36.9 1.9,43.9 3.75,45.75 3.75,47.17 X8.2@2.66,48.26 ; v2(11.15,26.35) 12.15,26.35 17.94,20.56 17.94,19.283 21.923,15.3 v1(22,15.3) ; v1(23.5,23.9) 23.5,25.4 23.4,25.5 24.8,26.9 C23.1@24.8,27 ; X7.1@29.235,11.12 31.62,11.12 33.45,12.95 41.3,12.95 41.3,14.75 ; R10.2@38.6,17.45 41.3,14.75 ; v2(41.5,43.9) 42.1,43.9 44.9,41.1 v2(44.9,38.1) ; v2(49.6,9.3) 47.6,11.3 46.6,11.3 48.1,12.8 48.1,17.2 46.4,18.9 43,18.9 42.195,18.095 D6.8@42.195,16.788 42.195,16.195 41.3,15.3 41.3,14.75
  Bottom Layer w1: v2(14.123,40.4) 18.323,44.6 20.9,44.6 25.85,49.55 25.85,51.95 v2(26.5,52.6) ; v2(15.8,62.5) 15.8,66.525 X5.1@18.155,68.88 ; 21.417,44.435 25.5,40.402 25.5,37.2 25.5,33.2 23.4,31.1 v1(23.4,29.4) 25.1,29.4 28.4,32.7 32,32.7 33.8,32.7 34.6,33.5 v1(35.6,33.5) 36.8,33.5 40.6,29.7 43.2,29.7 43.7,29.2 v2(44.8,29.2)
5V: C12.2 C13.1 C14.2 C44.2 D7.3 G1.+ L1.2 R26.2 VD4.C X5.9 X7.9 X10.4 X11.13 X11.14 | length 262.9
  Top Layer w0.8: v2(8.1,66.8) 13.4,66.8 15.2,68.6 15.2,71.1 18.4,74.3 25.27,74.3 X5.9@27.85,71.72
  Top Layer w1: X7.9@19.54,8.28 19.54,6.66 21.4,4.8 39,4.8 40.125,5.925 40.125,7.525 41.6,9 41.6,13.7 46.6,18.7 C13.1@46.6,21.175
  Top Layer w1.2: C14.2@51.3,22.95 52.95,22.95 53.389,23.389 D7.3@53.85,23.389 56.589,23.389 v2(57,23.8) ; C14.2@51.3,22.95 49.25,22.95 48.375,22.95 46.6,21.175 47.6,20.175 63.525,20.175 66.525,17.175 R26.2@66.525,15.8
  Bottom Layer w0.5: X11.13@3.8,14 X11.14@5.8,14 6.5,14 7.2,13.3 7.2,8.8 9.8,6.2 13.8,6.2 15.88,8.28 X7.9@19.54,8.28 ; 77.4,68.3 81.9,68.3 82.8,67.4 G1.+@82.8,66.7 G1.+@82.8,66.3
  Bottom Layer w0.8: X10.4@7.8,53.64 7.8,66.5 v2(8.1,66.8) ; X5.9@27.85,71.72 30.82,71.72 37.8,78.7 52.3,78.7 ; VD4.C@52.3,74.3 52.3,78.7 ; v2(57,23.8) 74.6,41.4 74.6,65.5 77.4,68.3 77.4,76.8 75.5,78.7 52.3,78.7
50MHz: BQ3.3 D8.24 D10.34 | length 29.7
  Top Layer w0.25: BQ3.3@51.715,42.9 56.7,42.9 58.8,45 58.8,45.6 59.3,46.1 D10.34@60.842,46.1
  Top Layer w0.3: D8.24@34.928,39.85 35.778,39 37.8,39 38.6,39.8 49.64,39.8 BQ3.3@52.14,42.3
BOOT0: R29.2 X8.4 | length 27.9
  Top Layer w0.3: X8.4@2.66,50.8 3.86,49.6 6.4,49.6 6.6,49.4 6.6,47.5 6.8,47.3 10.2,47.3 12.4,45.1 v1(12.4,42.7)
  Bottom Layer w0.3: v1(12.4,42.7) 12.4,39.7 13.7,38.4 15.5,38.4 18.4,35.5 R29.2@18.4,34
BOOT1: R28.2 X8.3 | length 18.5
  Bottom Layer w0.3: X8.3@5.2,50.8 6.5,49.5 6.5,47.5 6.7,47.3 10.907,47.3 14.507,50.9 15.8,50.9 17.525,49.175 R28.2@18.85,49.175
CAN1_Rx: D3.4 D8.70 | length 28.2
  Top Layer w0.3: v1(9.1,52.3) 9.1,52.1 14.8,46.4 15.65,46.4 17.594,44.457 17.74,44.31 D8.70@17.886,44.164
  Bottom Layer w0.3: v1(9.1,52.3) 9.3,52.5 9.3,53.7 14.7,59.1 19.7,59.1 20.36,59.76 D3.4@20.36,60.676
CAN1_Tx: D3.1 D8.71 | length 31.7
  Top Layer w0.3: v1(10.1,49.8) v1@10.2,49.8 ; v1@10.3,49.7 v1@10.2,49.8 ; D8.71@17.533,43.81 17.386,43.957 15.543,45.8 14.6,45.8 10.6,49.8 v1@10.2,49.8
  Bottom Layer w0.3: v1(10.1,49.8) 10.1,53.6 15,58.5 23.5,58.5 24.17,59.17 D3.1@24.17,60.676
CAN_N: D3.6 R9.1 VD5.4 X5.2 | length 16
  Bottom Layer w0.3: VD5.4@20.44,74.475 20.95,73.965 20.95,69.75 ; X5.2@20.925,69.425 X5.2@20.925,68.88 20.925,68.675 22,67.6 22,66.886 21.63,66.516 D3.6@21.63,65.4 21.63,64.17 23.5,62.3 25.75,62.3 R9.1@25.95,62.5
CAN_P: D3.7 VD5.3 X3.2 X5.7 | length 16.1
  Bottom Layer w0.3: VD5.3@22.26,74.575 22.1,74.415 22.1,71.93 X5.7@22.31,71.72 22.31,68.29 22.554,68.046 22.554,66.862 22.9,66.516 D3.7@22.9,65.4 22.9,64.6 23.5,64 27.84,64 X3.2@28.2,63.64
CAN_Rs: D8.43 R3.2 | length 34
  Top Layer w0.25: D8.43@29.271,48.406 30.972,50.107 ; 30.975,50.103 36.272,55.4 v1(41.7,55.4)
  Bottom Layer w0.25: R3.2@29.15,65.725 32.575,62.3 38,62.3 38.8,61.5 38.8,58.3 v1(41.7,55.4)
EEP_CS: D2.1 D8.39 R1.1 | length 17.6
  Top Layer w0.3: D8.39@30.685,46.992 31.6,47.907 31.6,49.9 36,54.3 42.6,54.3 43.005,53.895 D2.1@43.005,52.995